# Altium PCB FPGA_PCB.PcbDoc (part 2 of 2)
Units mil, origin at the board's own origin, x right, y up, seen from the top; angles counter-clockwise.
Board outline 3305 x 2200 mil, 4 copper layers (Top Layer, GND01, GND02, Bottom Layer), stack 23.756 mil thick; 156 components, 167 nets, 703 pads, 250 vias.
Unrouted connection lines stored in the file: 49.
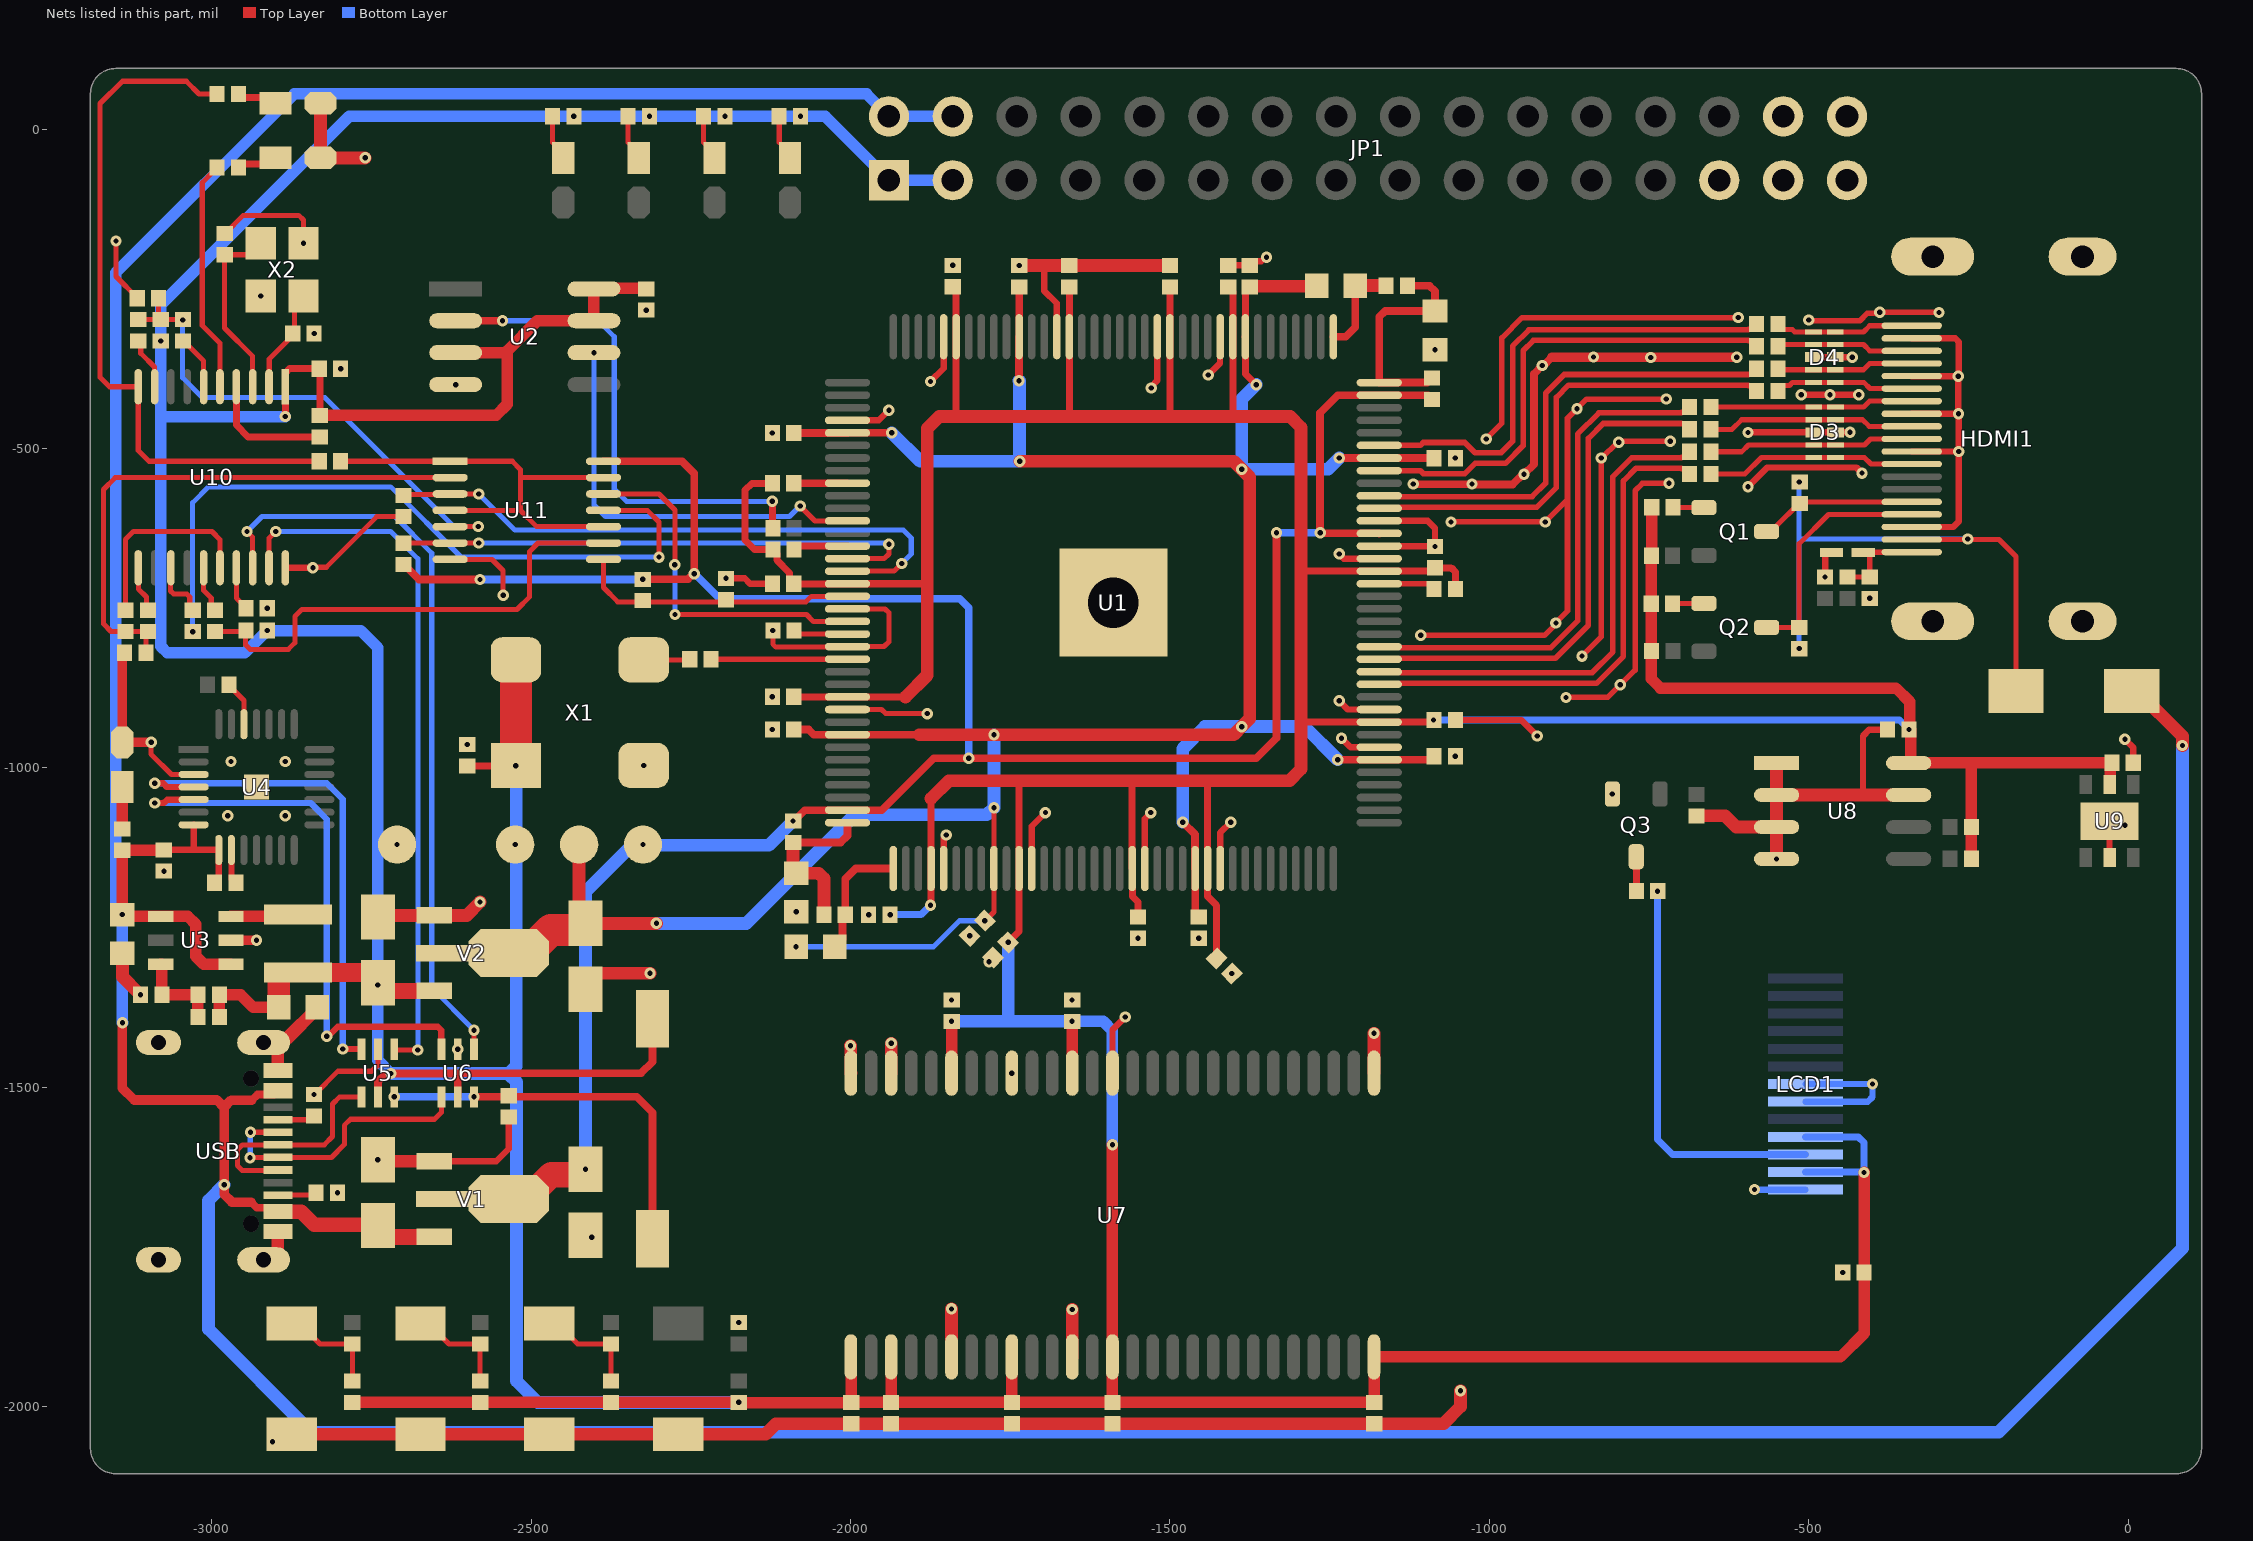
[diagram p4: the nets of this part, all layers, seen from the top]

## Via types
v1: diameter 17.72, hole 8.27, Top Layer to Bottom Layer, tented both sides, 250 vias

## Nets (pads, with @x,y where several pads share a name; then routed paths per layer and width w, separated by ;. In a path a pad name is that pad's centre, name@x,y a point inside that pad or via, vN(x,y) a via of type N, cw(c..) or ccw(c..) an arc to the next point about the centre after c; other vN are vias at no path point) (continued)
_TCK: R55.2 R56.1 R60.2 U11.2 | length 870
  Top Layer w8: R55.2@-3135.28,-786.46 -3157.74,-786.46 -3169.74,-774.45 -3169.74,-564.03 -3151.33,-545.61 U11.2@-2626.91,-545.61 ; R55.2@-3135,-786.73 R60.2@-3100,-786.73 -3103.27,-790 R56.1@-3103.27,-820
_TDI: R63.2 R64.2 R66.1 R67.1 U11.5 | length 799.8
  Top Layer w8: R64.2@-3115,-298.27 R66.1@-3080,-298.27 ; R67.1@-3083.27,-265 -3083.27,-295 R66.1@-3080,-298.27 ; v1(-3045.6,-298.69) R63.2@-3045.18,-298.27 ; U11.5@-2626.91,-622.38 -2626.74,-622.22 -2582.83,-622.22 v1(-2582.66,-622.05) ; R66.1@-3080,-298.27 R63.2@-3045.18,-298.27 ; R63.2@-3045.18,-298.27 R63.2@-3045,-298.27 R63.2@-3045.18,-298.27
  Bottom Layer w8: v1(-3045.6,-298.69) -3045.6,-389.4 -3015,-420 -2823.19,-420 -2621.14,-622.05 v1(-2582.66,-622.05)
_TDO: R59.2 U11.11 | length 1136.9
  Top Layer w8: U11.11@-2386.75,-596.79 -2318.21,-596.79 -2300,-615 v1(-2300,-670)
  Bottom Layer w8: v1(-3030,-786.73) -3030,-585 -3005,-560 -2720,-560 -2610,-670 v1(-2300,-670)
_TMS: R57.2 R58.1 U11.9 | length 766.4
  Top Layer w8: R57.2@-2995,-786.73 -2947.27,-786.73 -2947.27,-807.19 -2940.03,-814.43 -2880.31,-814.43 -2870,-804.13 -2870,-762.85 -2859.05,-751.9 -2522.23,-751.9 -2502.44,-732.11 -2502.44,-661.23 -2489.18,-647.97 U11.9@-2386.75,-647.97
ACK: R61.2 U10.5 | length 368.1
  Top Layer w8: R61.2@-2998.67,-53.67 -2998.67,-67.92 -2999.54,-68.8 -3000,-68.8 -3015,-83.79 -3015,-307.24 -2987.2,-335.03 U10.5@-2987.2,-403.27
CONFDONE: R7.2 U1.92 | length 89.6
  Top Layer w8: U1.92@-1172.32,-711.73 -1094.02,-711.73 -1086.73,-719.02 R7.2@-1086.73,-720
CP2102_DN: U4.5 U6.3 | length 900.8
  Top Layer w10: v1(-3089.51,-1055) -3075,-1055 -3069.68,-1049.68 U4.5@-3028.43,-1049.68 ; v1(-2820,-1420) -2817.91,-1420 -2802.91,-1405 -2646.45,-1405 -2640.59,-1410.86 U6.3@-2640.59,-1440.55
  Bottom Layer w10: v1(-3089.51,-1055) -2845.18,-1055 -2820,-1080.18 v1(-2820,-1420)
CP2102_DP: U4.4 U5.3 | length 789.1
  Top Layer w10: v1(-3089.51,-1023.97) -3089.23,-1024.25 -3076.05,-1024.25 -3070.3,-1030 U4.4@-3028.43,-1030 ; v1(-2795,-1440) -2766.14,-1440 U5.3@-2765.59,-1440.55
  Bottom Layer w10: v1(-3089.51,-1023.97) -2820.09,-1023.97 -2795,-1049.05 v1(-2795,-1440)
DCLK: U1.12 U2.6 | length 659.2
  Top Layer w8: v1(-2078.99,-590) -2055.68,-613.31 U1.12@-2004.84,-613.31
  Bottom Layer w8: v1(-2401.73,-350) -2401.73,-588.27 -2383.5,-606.5 -2095.49,-606.5 v1(-2078.99,-590)
DIFFIO_R3_N: R27.2 U1.101 | length 770.5
  Top Layer w8.68: U1.101@-1172.32,-534.57 -1108.13,-534.57 -1103.41,-539.28 -1038.32,-539.28 -1022.38,-523.34 -974.75,-523.34 -946.95,-495.54 -946.95,-346.62 -931.18,-330.84 -594.29,-330.84 -593.58,-331.54 -589.2,-331.54 -581.73,-339.02 R27.2@-581.73,-340
DIFFIO_R3_P: R28.2 U1.103 | length 770.5
  Top Layer w8.68: U1.103@-1172.32,-495.2 -1108.01,-495.2 -1103.41,-490.6 -1038.44,-490.6 -1022.38,-506.66 -981.66,-506.66 -963.63,-488.63 -963.63,-339.71 -938.09,-314.16 -594.29,-314.16 -593.58,-313.46 -589.2,-313.46 -581.73,-305.98 R28.2@-581.73,-305
DIFFIO_R4_N: R25.2 U1.98 | length 757.5
  Top Layer w8.68: U1.98@-1172.32,-593.62 -1171.72,-593.02 -1139.98,-593.02 -1139.08,-592.12 -926.03,-592.12 -895,-561.09 -895,-420 -875.84,-400.84 -594.29,-400.84 -593.58,-401.54 -589.2,-401.54 -581.73,-409.02 R25.2@-581.73,-410
DIFFIO_R4_P: R26.2 U1.99 | length 757.5
  Top Layer w8.68: U1.99@-1172.32,-573.94 -1171.72,-574.54 -1139.98,-574.54 -1139.08,-575.44 -932.94,-575.44 -911.68,-554.18 -911.68,-413.09 -882.75,-384.16 -594.29,-384.16 -593.58,-383.46 -589.2,-383.46 -581.73,-375.98 R26.2@-581.73,-375
DIFFIO_R7_N: R23.2 U1.86 | length 814.2
  Top Layer w8.68: U1.86@-1172.32,-829.84 -1171.72,-829.24 -1139.98,-829.24 -1139.08,-828.34 -896.63,-828.34 -845,-776.71 -845,-484.17 -821.67,-460.84 -699.29,-460.84 -698.58,-461.54 -694.2,-461.54 -686.73,-469.02 R23.2@-686.73,-470
DIFFIO_R7_P: R24.2 U1.87 | length 814.2
  Top Layer w8.68: U1.87@-1172.32,-810.16 -1171.72,-810.76 -1139.98,-810.76 -1139.08,-811.66 -903.53,-811.66 -861.68,-769.8 -861.68,-477.26 -828.58,-444.16 -699.29,-444.16 -698.58,-443.46 -694.2,-443.46 -686.73,-435.98 R24.2@-686.73,-435
DIFFIO_R8_N: R21.2 U1.84 | length 791
  Top Layer w8.68: U1.84@-1172.32,-869.21 -1171.72,-868.61 -1139.98,-868.61 -1139.08,-867.71 -832.31,-867.71 -790,-825.4 -790,-550.84 -770,-530.84 -699.29,-530.84 -698.58,-531.54 -694.2,-531.54 -686.73,-539.02 R21.2@-686.73,-540
DIFFIO_R8_P: R22.2 U1.85 | length 791
  Top Layer w8.68: U1.85@-1172.32,-849.53 -1171.72,-850.13 -1139.87,-850.13 -1138.97,-851.03 -839.22,-851.03 -806.68,-818.49 -806.68,-543.93 -776.91,-514.16 -699.29,-514.16 -698.58,-513.46 -694.2,-513.46 -686.73,-505.98 R22.2@-686.73,-505
FPGA_CLK: R1.2 U1.23 | length 213.5
  Top Layer w8: R1.2@-2218.27,-830 -2218.11,-829.84 U1.23@-2004.84,-829.84
GND: ACK1.2 C3.1 C6.1 C7.1 C8.1 C9.1 C10.1 C11.1 C12.1 C13.1 C14.1 C15.1 C16.1 C17.1 C18.1 C19.1 C20.1 C21.1 C22.1 C23.1 C24.1 C25.1 C26.1 C27.1 C28.2 C30.1 C31.2 C32.2 C33.2 C34.2 C35.2 C36.1 C37.1 C38.1 C39.1 C40.1 C41.1 C42.1 C43.1 C44.1 C45.1 C46.2 C47.1 C48.1 C49.1 D1.1 D3.3 D3.8 D4.3 D4.8 HDMI1.2 HDMI1.5 HDMI1.8 HDMI1.11 HDMI1.17 HDMI1.20 HDMI1.21 HDMI1.22 HDMI1.23 JP1.27 JP1.29 JP1.30 JP1.31 JP1.32 KEY1.1 KEY2.1 KEY3.1 LCD1.7 LCD1.8 LCD1.13 LED1.2 pad.1 pad.31 PWR1.2 Q3.2 R9.2 R10.2 R11.2 R14.1 R15.1 R16.2 R19.1 R20.2 R30.2 R50.1 R51.2 R56.2 R67.2 R68.2 RST.1 U1.4 U1.19 U1.22 U1.27 U1.41 U1.48 U1.57 U1.63 U1.79 U1.82 U1.94 U1.95 U1.97 U1.118 U1.123 U1.131 U1.140 U1.145 U2.4 U3.2 U4.3 U4.29 U5.2 U6.2 U7.6 U7.12 U7.28 U7.41 U7.46 U7.52 U7.54 U8.1 U8.2 U8.3 U8.4 U8.7 U9.2 U9.7 U10.20 U11.7 USB.1 USB.2 USB.3 USB.4 USB.A1B12 USB.B1A12 V1.1 V2.1 X1.2 X2.2 X2.4 | length 11979.6
  Top Layer w8: v1(-3150,-175) -3150,-230.75 -3116.73,-264.02 R67.2@-3116.73,-265 ; v1(-3095,-960) -3095,-978.49 -3063.18,-1010.31 U4.3@-3028.43,-1010.31 ; C49.1@-2980,-163.27 -2979.02,-163.27 -2950.75,-135 -2864,-135 -2856.54,-142.47 v1(-2856.54,-178.66) ; USB.2@-2918.84,-1770.08 -2911.08,-1770.08 USB.2@-2896.59,-1755.59 ; USB.1@-2896.59,-1444.41 -2911.08,-1429.92 USB.1@-2918.84,-1429.92 -2912.83,-1423.92 USB.1@-2882.62,-1423.92 ; v1(-2841.73,-686.73) -2840.87,-685.87 -2820.87,-685.87 -2741.73,-606.73 R51.2@-2700,-606.73 ; v1(-2840,-1511.35) -2839.02,-1511.35 -2802.67,-1475 -2750,-1475 -2740,-1465 U5.2@-2740,-1440.55 ; C30.1@-2834.68,-1375.98 C30.1@-2834.68,-1375 ; U11.7@-2626.91,-673.57 -2561.43,-673.57 -2543.93,-691.07 v1(-2543.93,-729.94) ; v1(-2121.73,-785) -2121.73,-806.31 -2117.05,-811 -2037.9,-811 -2037.79,-810.89 -2005.57,-810.89 U1.22@-2004.84,-810.16 -1947.62,-810.16 -1940,-802.54 -1940,-757.2 -1946.1,-751.1 U1.19@-2004.84,-751.1 ; U1.27@-2004.84,-908.58 -1951.42,-908.58 -1945,-915 v1(-1880,-915)
  Top Layer w8.68: v1(-1107.49,-792.46) -913.64,-792.46 -895.8,-774.62 -895.8,-772.42 -877.66,-754.28 -877.66,-580 ; v1(-1060,-615) v1(-912.66,-615) -877.66,-580 ; v1(-1005,-485) -980.38,-460.38 -980.38,-326.76 -948.58,-294.96 v1(-610.31,-294.96) ; v1(-880,-889.76) -814.76,-889.76 -771.88,-846.88 -771.88,-566.16 -760.25,-554.54 v1(-718.7,-554.54) ; v1(-855,-825) -825,-795 v1(-825,-515) ; v1@-824.17,-515 -799.45,-490.28 v1(-797.26,-490.28) ; v1@-798.58,-488.58 v1(-716.89,-488.58) ; v1(-723.24,-422.61) -847.61,-422.61 -877.66,-452.66 -877.66,-580 ; v1(-500.12,-298.8) -498.93,-300 -420,-300 -408.57,-288.57 -390.38,-288.57 v1(-388.65,-286.84) -296.34,-286.84 v1(-296.12,-287.07)
  Top Layer w10: U10.20@-2884.84,-686.73 v1(-2841.73,-686.73) ; C33.2@-2740,-1233.43 C33.2@-2737.52,-1230.94 ; V1.1@-2651.87,-1615.94 -2554.93,-1615.94 -2535,-1596.01 R19.1@-2535,-1546.73 ; v1(-2195,-703.27) -2165.92,-703.27 -2157.39,-711.79 C24.1@-2122.48,-711.79 ; U1.4@-2004.84,-455.83 -1955.83,-455.83 v1(-1940,-440) ; v1(-1875,-395) -1854.33,-374.33 U1.140@-1854.33,-325 ; U1.41@-1854.33,-1157.52 -1854.33,-1109.33 v1(-1850,-1105) ; v1(-1783.42,-1303.42) C23.1@-1776.83,-1296.83 ; U1.48@-1716.54,-1157.52 -1716.54,-1091.54 v1(-1695,-1070) ; -1696.66,-213.4 -1696.66,-253.34 -1677.17,-272.83 U1.131@-1677.17,-325 ; U7.41@-1590,-1477.87 -1590,-1410 v1(-1570,-1390) ; U1.57@-1539.37,-1157.52 -1539.37,-1079.37 v1(-1530,-1070) ; v1(-1529.24,-405.19) -1529.24,-403.1 -1519.69,-393.54 U1.123@-1519.69,-325 ; v1(-1440,-385) -1421.61,-366.61 -1421.61,-325.35 U1.118@-1421.26,-325 ; U1.63@-1421.26,-1157.52 -1421.26,-1101.26 v1(-1405,-1085) ; C19.1@-1408.74,-213.4 C12.1@-1375,-213.4 -1368.19,-206.59 -1357.06,-206.59 -1350.98,-200.5 v1(-1348.89,-200.5) ; v1(-1235,-895) -1221.42,-908.58 U1.82@-1172.32,-908.58 ; v1(-1235,-665) -1227.64,-672.36 U1.94@-1172.32,-672.36 ; v1(-1231.31,-953.56) -1217.23,-967.64 U1.79@-1172.32,-967.64 ; U1.95@-1172.32,-652.68 -1172.03,-652.97 -1085.3,-652.97 v1(-1085,-653.27) -1085,-625 -1096.69,-613.31 U1.97@-1172.32,-613.31 ; C18.1@-1053.27,-925 -950,-925 v1(-925,-950) ; v1(-595,-560) -564.71,-529.71 -425.24,-529.71 v1(-416.45,-538.5) ; v1(-595,-475) -594.69,-474.69 D3.8@-492.04,-474.69 D3.3@-457.96,-474.69 v1(-435.31,-474.69) v1@-435,-475 ; v1(-511.79,-415.78) v1(-421.79,-415.78) ; D4.8@-492.41,-357.03 D4.3@-458.33,-357.03 v1(-432.03,-357.03) ; v1(-474.4,-701.05) -474.4,-664.87 -472.31,-662.78 D1.1@-464.4,-662.78 ; -415,-1042.5 -415,-950 -405,-940 C43.1@-376.73,-940 ; HDMI1.17@-338.71,-622.82 -273.63,-622.82 -265,-614.19 v1@-265,-505 ; HDMI1.11@-338.71,-504.69 v1(-265.31,-504.69) v1@-265,-505 ; HDMI1.8@-338.71,-445.62 v1(-265.62,-445.62) -265.77,-445.47 -265.77,-387.14 v1(-265.91,-386.99) ; HDMI1.5@-338.71,-386.56 -338.63,-386.64 -266.26,-386.64 v1(-265.91,-386.99) ; HDMI1.2@-338.71,-327.49 -270.86,-327.49 -265,-333.35 -265,-386.07 v1(-265.91,-386.99) ; v1@-265,-445 v1@-265,-505 ; U9.7@-29.2,-1083.36 -29.05,-1083.51 U9.2@-29.05,-1140.5 ; v1(-5,-955) 8.12,-968.12 C44.1@8.12,-991.85
  Top Layer w12: v1(-1119.09,-555.48) -1118.71,-555.86 -1027.4,-555.86 -1027.02,-556.24 -963.15,-556.24 -947.35,-540.44 v1(-945.8,-540.44) -930,-524.64 -930,-382.85 v1(-917.11,-369.96) ; v1@-916.03,-371.03 -902.06,-357.06
  Top Layer w15: LED1.2@-3140.26,-960 v1(-3095,-960) ; LED1.2@-3140.02,-959.76 -3140.02,-823.29 R56.2@-3136.73,-820 ; U3.2@-2970,-1270 v1(-2930,-1270) ; -902.06,-357.06 v1(-612.89,-357.06)
  Top Layer w20: C28.2@-3140,-1290.32 -3139.83,-1290.49 -3139.83,-1326.91 -3114.53,-1352.2 -3113.54,-1352.2 -3111.73,-1354.02 v1(-3111.73,-1355) ; USB.2@-2896.59,-1755.59 USB.B1A12@-2896.59,-1725.98 ; USB.A1B12@-2896.59,-1474.02 USB.1@-2896.59,-1444.41 ; USB.1@-2882.62,-1423.92 C30.1@-2834.68,-1375.98 ; KEY1.1@-2875,-2043.24 KEY2.1@-2673.33,-2043.24 KEY3.1@-2471.67,-2043.24 RST.1@-2270,-2043.24 -2133.24,-2043.24 -2116.73,-2026.73 C39.1@-1999.07,-2026.73 C38.1@-1936.59,-2026.73 C41.1@-1747.25,-2026.73 C37.1@-1590,-2026.73 C36.1@-1180,-2026.73 -1071.73,-2026.73 -1045,-2000 v1(-1045,-1975) ; PWR1.2@-2830,40.26 ACK1.2@-2830,-45 v1(-2760,-45) ; v1(-2740,-1613.43) -2737.48,-1615.94 V1.1@-2651.87,-1615.94 ; C33.2@-2737.52,-1230.94 V2.1@-2651.87,-1230.94 -2600.94,-1230.94 v1(-2580,-1210) ; C34.2@-2414.46,-1337.98 -2414.46,-1337.63 -2398.43,-1321.6 v1(-2314.08,-1321.6) ; v1(-2000,-1435) -1999.61,-1435.39 -1999.61,-1477.71 U7.54@-1999.45,-1477.87 ; U7.52@-1936.46,-1477.87 -1936.3,-1477.71 v1(-1936.3,-1431.3) ; U7.6@-1841.97,-1922.13 v1(-1841.97,-1846.97) ; v1(-1735.88,-213.4) -1696.66,-213.4 C17.1@-1657.44,-213.4 C15.1@-1500,-213.4 ; U7.12@-1652.99,-1922.13 v1(-1652.99,-1847.99) ; U7.28@-1180.55,-1477.87 v1(-1180.55,-1415.55) ; R50.1@-675.76,-1075.02 -630.97,-1075.02 -613.48,-1092.5 U8.3@-550.28,-1092.5 ; v1(-550.28,-1142.5) U8.3@-550.28,-1092.5 ; U8.1@-550.28,-992.5 U8.2@-550.28,-1042.5 ; U8.7@-343.58,-1042.5 -415,-1042.5 U8.2@-550.28,-1042.5 ; U8.3@-550.28,-1092.5 U8.2@-550.28,-1042.5
  Bottom Layer w10: v1(-585,-1660) -584.76,-1660.24 LCD1.13@-505,-1660.24 ; LCD1.8@-505,-1522.44 -407.44,-1522.44 -400.12,-1515.12 v1(-400.12,-1494.88) LCD1.7@-505,-1494.88
  other v1: -2905,-2055 -2175,-1868.27 -446.73,-1790 -2405,-1735 -2803.27,-1665 -1747.48,-1477.87 -2615,-1440.55 -1841.87,-1363.27 -1653.19,-1363.27 -1403.17,-1321.83 -1550,-1266.73 -1455,-1266.73 -1813.46,-1262.94 -1971.73,-1230 -2085,-1225.32 -3075,-1161.73 -2710,-1120 -5,-1090 -2975,-1075 -2885,-1075 -807.4,-1040.94 -2323.76,-996.18 -2970,-990 -2885,-990 -1053.27,-981.99 -2600,-963.27 -2122.48,-940 -2122.48,-888.83 -795,-870 -895.8,-773.22 -2913.27,-750 -404.4,-734.52 -1027.02,-555.48 -1053.27,-515 -2122.48,-475.7 -862.64,-437.64 -466.79,-415.78 -2618.27,-400 -2798.27,-375 -747.29,-357.62 -836.98,-356.75 -1085,-345.32 -2839.8,-320 -2320,-283.45 -2923.46,-261.34 -1840,-213.27
GNDA1: C1.1 C4.1 R10.1 U1.36 | length 263.6
  Top Layer w8: R10.1@-2090,-1159.68 R10.1@-2085,-1164.69 R10.1@-2084.69,-1165
  Top Layer w12: C1.1@-2090,-1116.73 -2015.21,-1116.73 -2004.84,-1106.37 U1.36@-2004.84,-1085.75
  Top Layer w20: R10.1@-2090,-1159.68 C1.1@-2090,-1116.73 ; R10.1@-2084.69,-1165 -2050,-1165 -2041.73,-1173.27 C4.1@-2041.73,-1230
GNDA2: C2.1 C5.1 R9.1 U1.108 | length 357.2
  Top Layer w12: C5.1@-1128.27,-245 -1093.75,-245 -1085,-253.75 R9.1@-1085,-284.69 -1163.1,-284.69 -1172.32,-293.9 U1.108@-1172.32,-396.77 -1097.72,-396.77 -1090.82,-389.88 C2.1@-1089.84,-389.88
HDMI_5V: D2.2 HDMI1.18 R31.2 R34.2 | length 904.6
  Top Layer w8: HDMI1.18@-333.71,-642.51 -202.29,-642.51 -175.55,-669.25 D2.2@-175.55,-880
  Bottom Layer w8: v1@-515.02,-552.65 -515.02,-641.63 ; v1(-514.89,-813.06) -515.02,-812.93 -515.02,-641.63 ; v1(-250.89,-641.63) -515.02,-641.63
  other v1: -514.89,-552.52
HDMI_CLK_N: D3.1 D3.10 HDMI1.12 R21.1 | length 329.6
  Top Layer w8: R21.1@-653.27,-540 -600,-540 -574.06,-514.06 D3.10@-492.04,-514.06 D3.1@-457.96,-514.06 -412.97,-514.06 -402.65,-524.38 HDMI1.12@-338.71,-524.38
HDMI_CLK_P: D3.2 D3.9 HDMI1.10 R22.1 | length 322.8
  Top Layer w8: R22.1@-653.27,-505 -605,-505 -594.37,-494.37 D3.9@-492.04,-494.37 D3.2@-457.96,-494.37 -412.55,-494.37 -403.18,-485 HDMI1.10@-338.71,-485
HDMI_D0_N: D3.4 D3.7 HDMI1.9 R23.1 | length 325
  Top Layer w8: R23.1@-653.27,-470 -620,-470 -605,-455 D3.7@-492.04,-455 D3.4@-457.96,-455 -415.63,-455 -405.32,-465.31 HDMI1.9@-338.71,-465.31
HDMI_D0_P: D3.5 D3.6 HDMI1.7 R24.1 | length 318.6
  Top Layer w8: R24.1@-653.27,-435 -652.95,-435.32 D3.6@-492.04,-435.32 D3.5@-457.96,-435.32 -414.35,-435.32 -404.96,-425.93 HDMI1.7@-338.71,-425.93
HDMI_D1_N: D4.1 D4.10 HDMI1.6 R25.1 | length 219.8
  Top Layer w8: R25.1@-548.27,-410 -548.27,-409.02 -540.46,-401.2 -530.09,-401.2 -525.28,-396.4 D4.1@-458.33,-396.4 -413.86,-396.4 -404.02,-406.25 HDMI1.6@-338.71,-406.25
HDMI_D1_P: D4.2 D4.9 HDMI1.4 R26.1 | length 214.3
  Top Layer w8: R26.1@-548.27,-375 -546.56,-376.71 D4.9@-492.41,-376.71 D4.2@-458.33,-376.71 -414.21,-376.71 -404.37,-366.87 HDMI1.4@-338.71,-366.87
HDMI_D2_N: D4.4 D4.7 HDMI1.3 R27.1 | length 214.7
  Top Layer w8: R27.1@-548.27,-340 -545.61,-337.34 D4.7@-492.41,-337.34 D4.4@-458.33,-337.34 -414.15,-337.34 -404.44,-347.05 -338.84,-347.05 HDMI1.3@-338.71,-347.18
HDMI_D2_P: D4.5 D4.6 HDMI1.1 R28.1 | length 219.5
  Top Layer w8: R28.1@-548.27,-305 -548.27,-305.98 -540.46,-313.8 -525.82,-313.8 -521.96,-317.66 D4.5@-458.33,-317.66 -414.25,-317.66 -404.39,-307.8 HDMI1.1@-338.71,-307.8
HDMI_HPD_LS: D1.2 HDMI1.19 R20.1 R29.1 | length 162.4
  Top Layer w8: R29.1@-439.4,-701.05 R20.1@-404.4,-701.05 -404.4,-665.87 -407.49,-662.78 D1.2@-414.4,-662.78 -414.11,-662.49 -334,-662.49 HDMI1.19@-333.71,-662.2
HDMI_SCL_LS: HDMI1.15 Q1.3 R31.1 | length 246.6
  Top Layer w8: Q1.3@-565.94,-630 -559.1,-630 -551.44,-622.33 -551.44,-622.18 -515.24,-585.99 R31.1@-514.25,-585.99 -512.06,-583.79 -339.06,-583.79 HDMI1.15@-338.71,-583.44
HDMI_SDA_LS: HDMI1.16 Q2.3 R34.1 | length 375.5
  Top Layer w8: Q2.3@-565.94,-780 R34.1@-515.05,-780.03 ; R34.1@-515,-778.27 -515,-649 -469.13,-603.13 HDMI1.16@-338.71,-603.13
JTAG_TCK: R51.1 U1.16 U11.3 | length 960.4
  Top Layer w8: R51.1@-2700,-573.27 -2698.66,-571.93 -2627.64,-571.93 U11.3@-2626.91,-571.2 v1(-2582.03,-571.2) ; U1.16@-2004.84,-692.05 -1932.05,-692.05 v1(-1920,-680)
  Bottom Layer w8: v1(-2582.03,-571.2) -2525.35,-627.88 -1917.19,-627.88 -1905,-640.07 -1905,-665 v1(-1920,-680)
JTAG_TDI: R53.1 U1.15 U11.6 | length 843.9
  Top Layer w8: R53.1@-2700,-648.27 -2699.85,-648.12 -2627.05,-648.12 U11.6@-2626.91,-647.97 v1(-2582.03,-647.97) ; U1.15@-2004.84,-672.36 -1947.36,-672.36 -1940,-665 v1(-1940,-650)
  Bottom Layer w8: v1(-2582.03,-647.97) -1944.65,-647.97 -1942.63,-650 v1(-1940,-650)
JTAG_TDO: U1.20 U11.12 | length 560.6